# Altium PCB pay-optical-tls2591.PcbDoc (part 1 of 4)
Units mm, origin at the board's own origin, x right, y up, seen from the top; angles counter-clockwise.
Board outline 127 x 55 mm, 4 copper layers (Top Layer, GND, POWER, Bottom Layer), stack 0.778 mm thick; 340 components, 205 nets, 1087 pads, 428 vias.
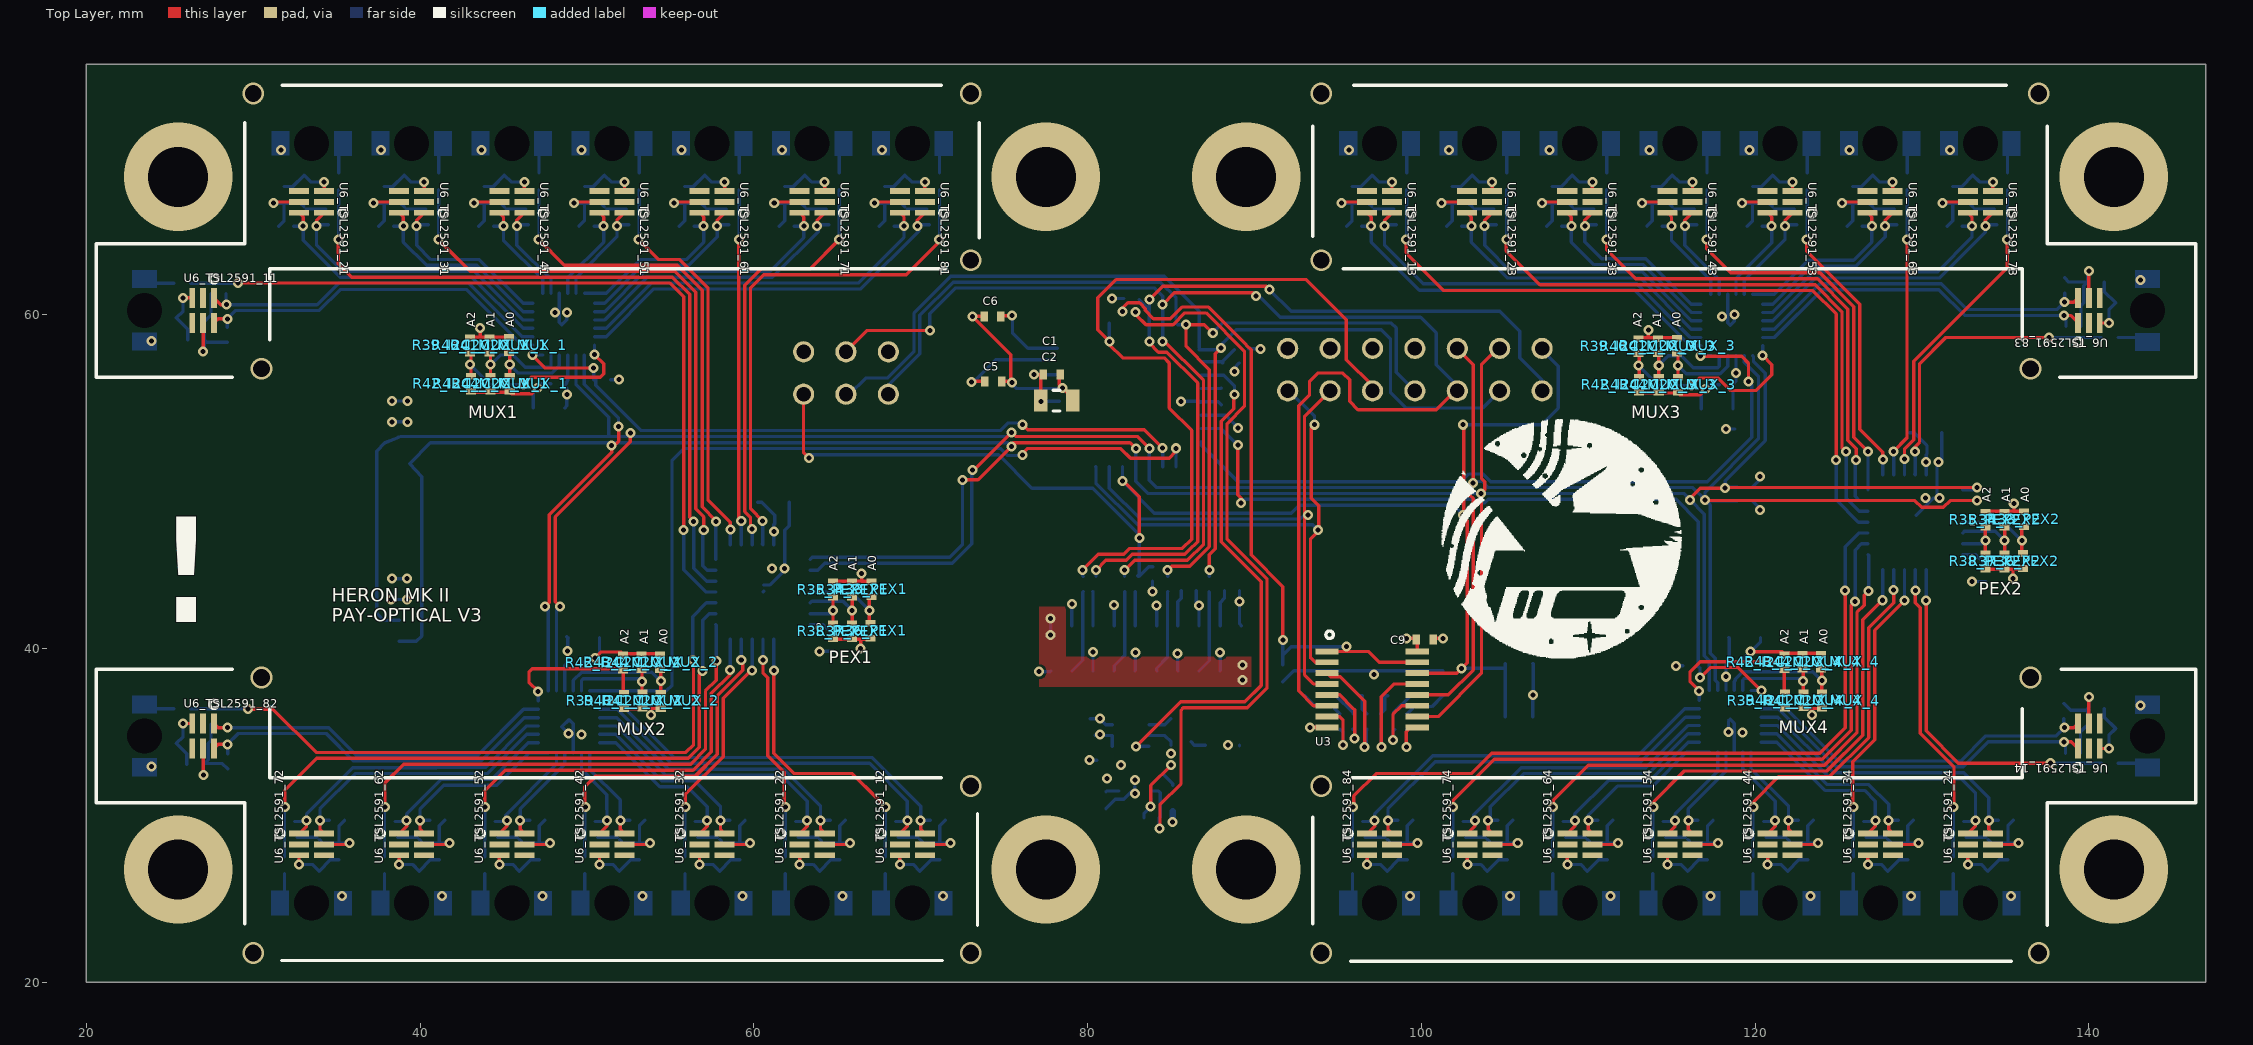
[diagram p0: Top Layer view]
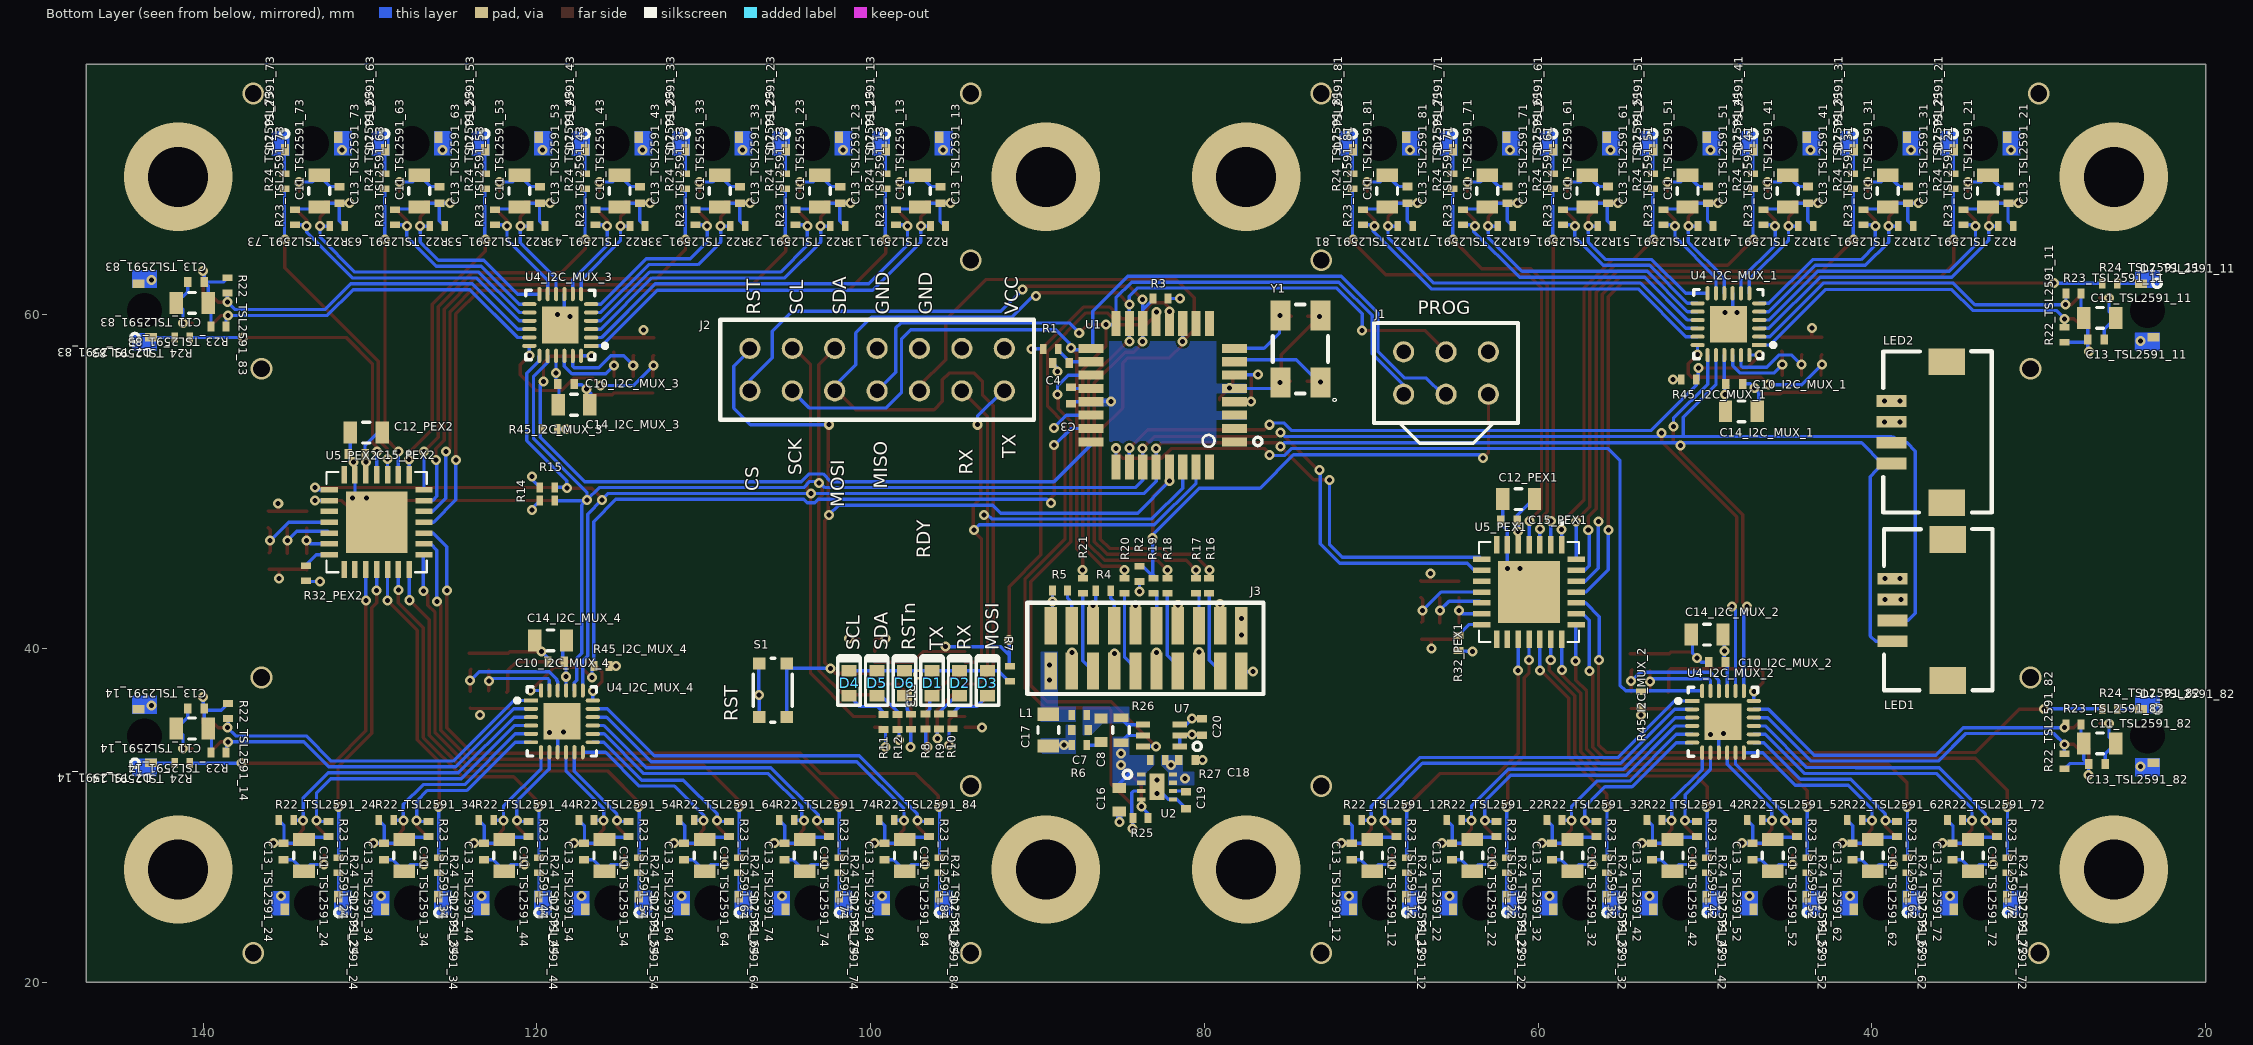
[diagram p1: Bottom Layer view, seen from below]
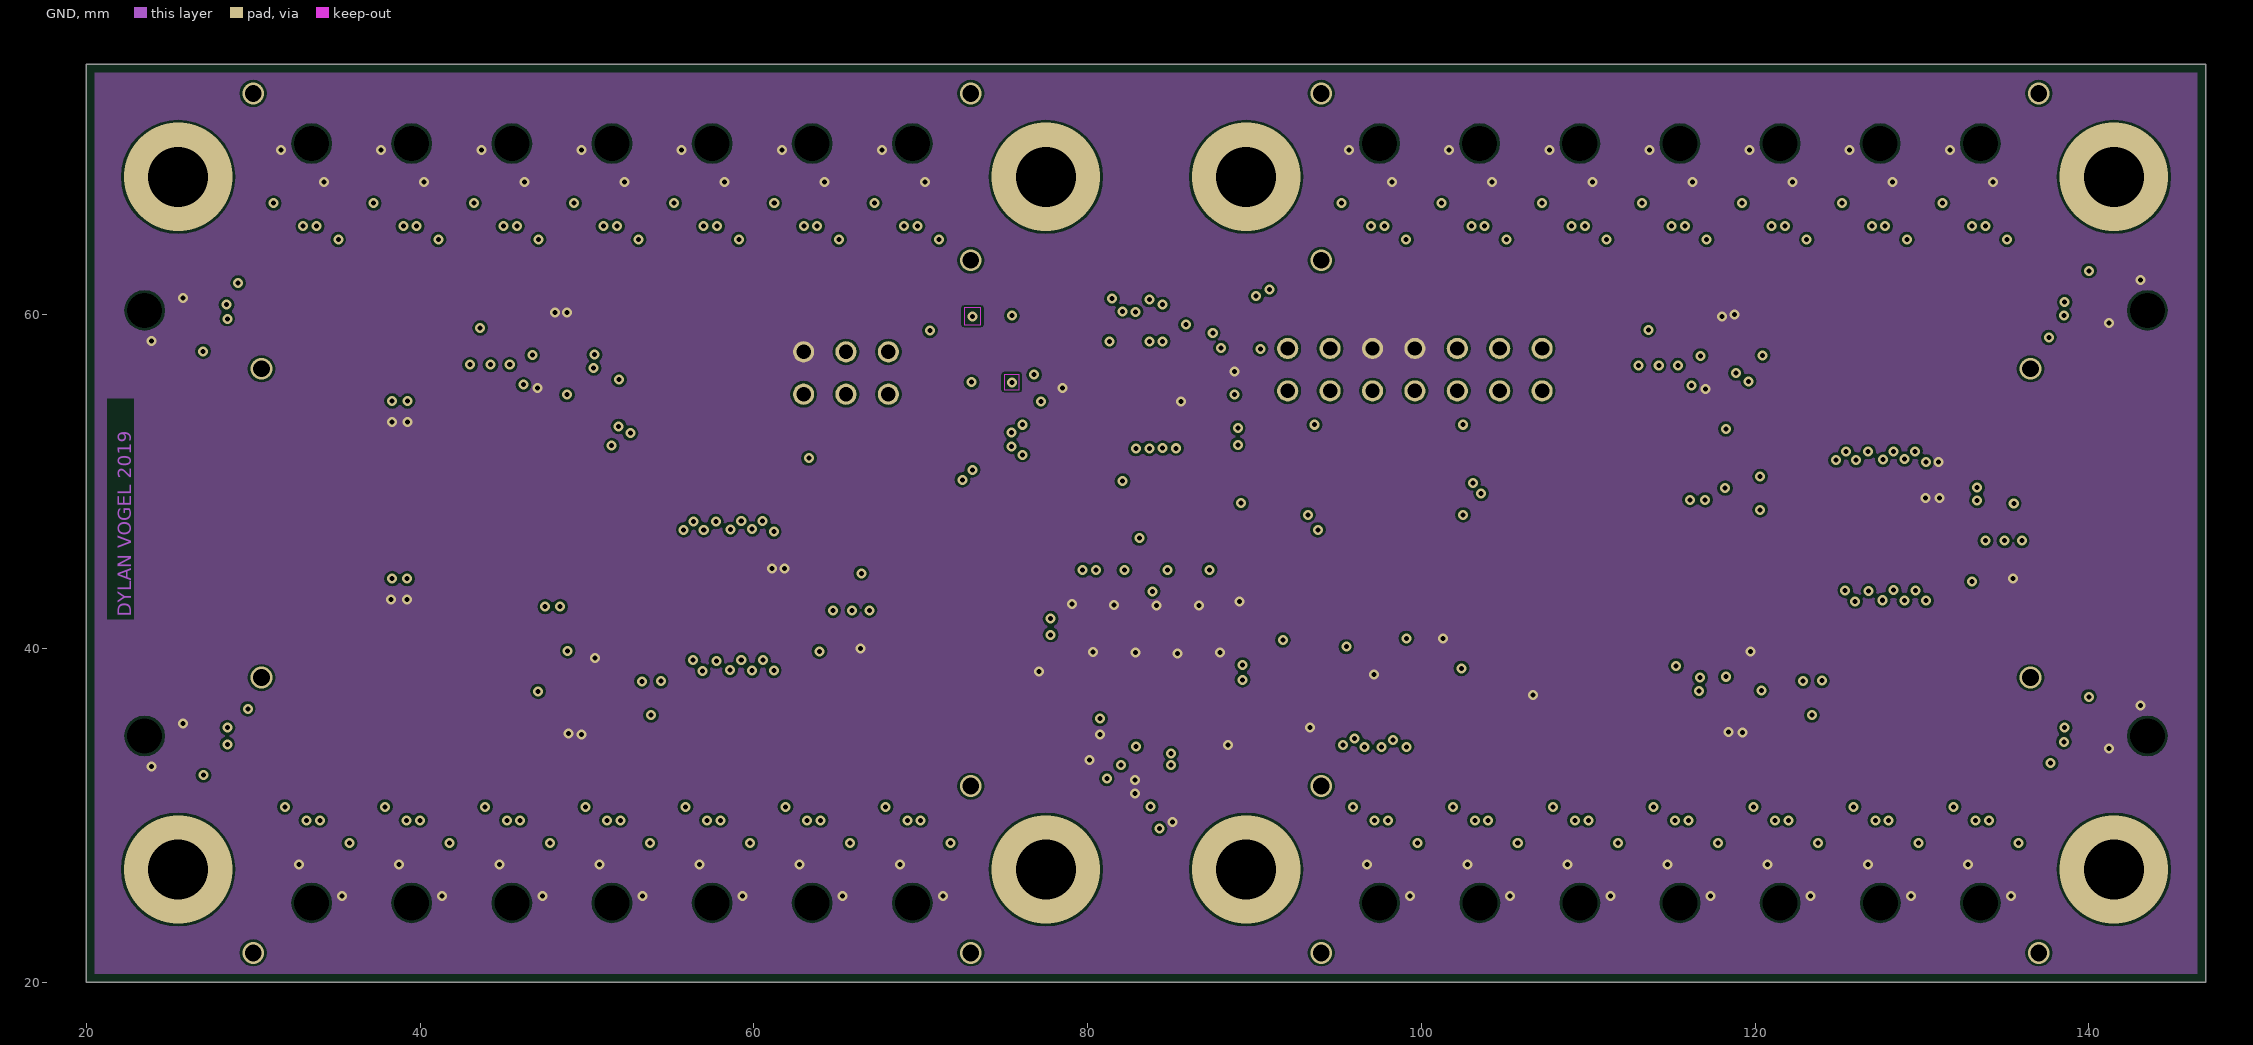
[diagram p2: GND]
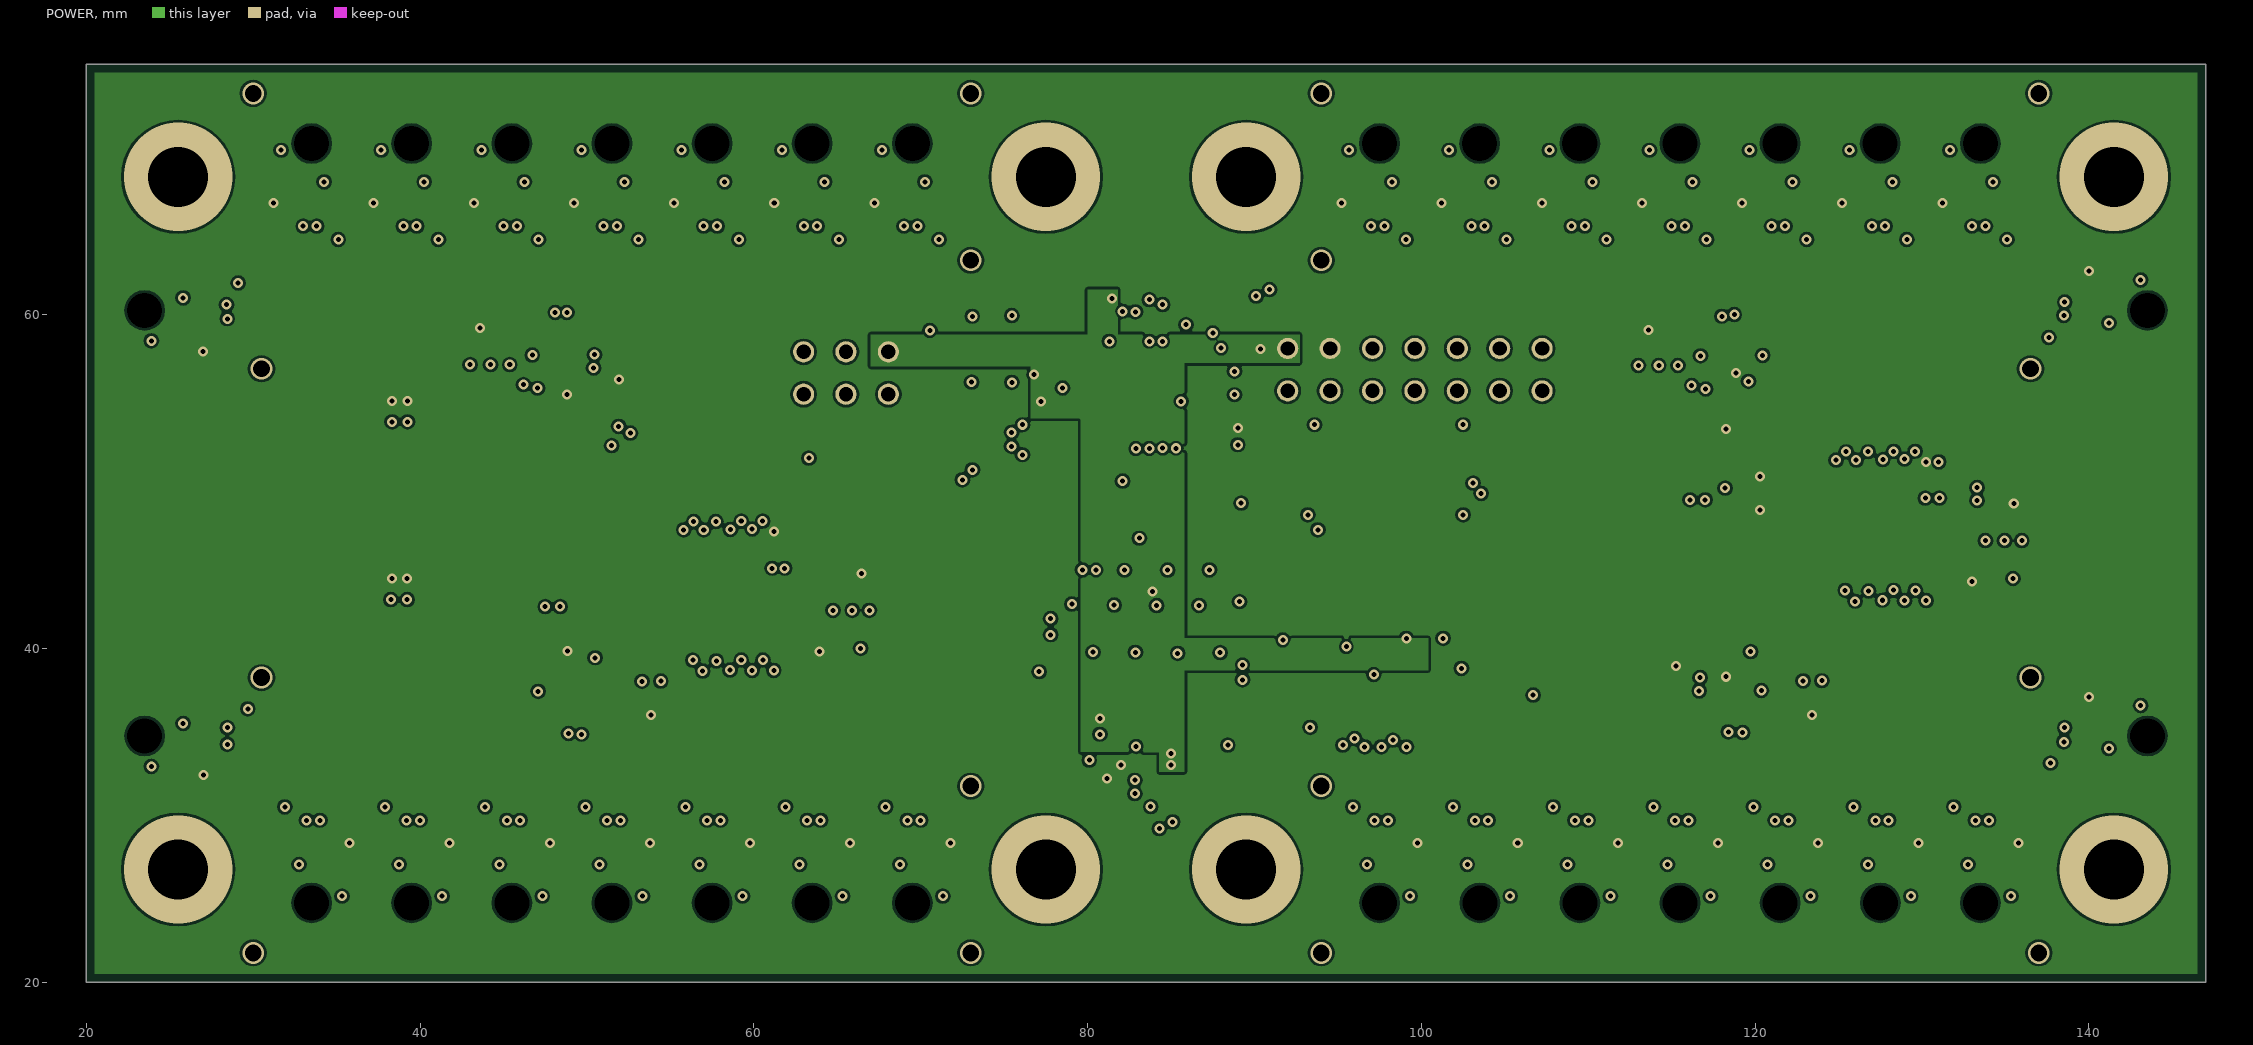
[diagram p3: POWER]
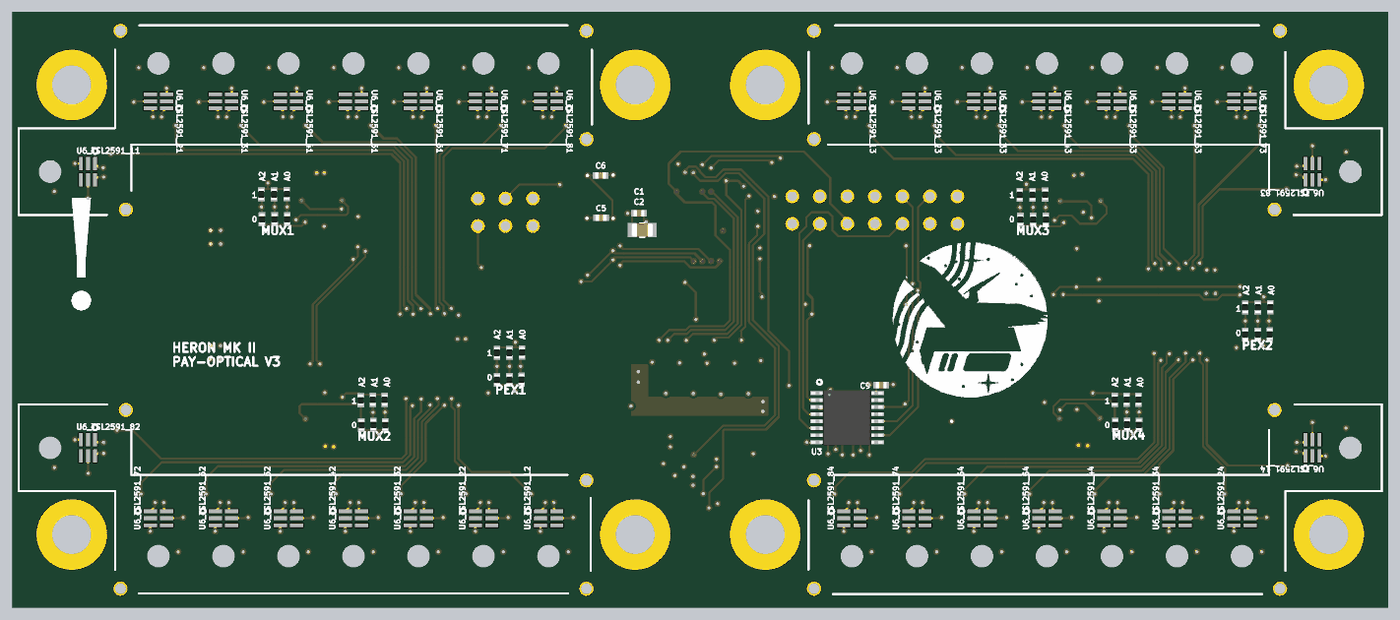
[diagram p7: 3D render of the assembled board from above, using the file's embedded part models]
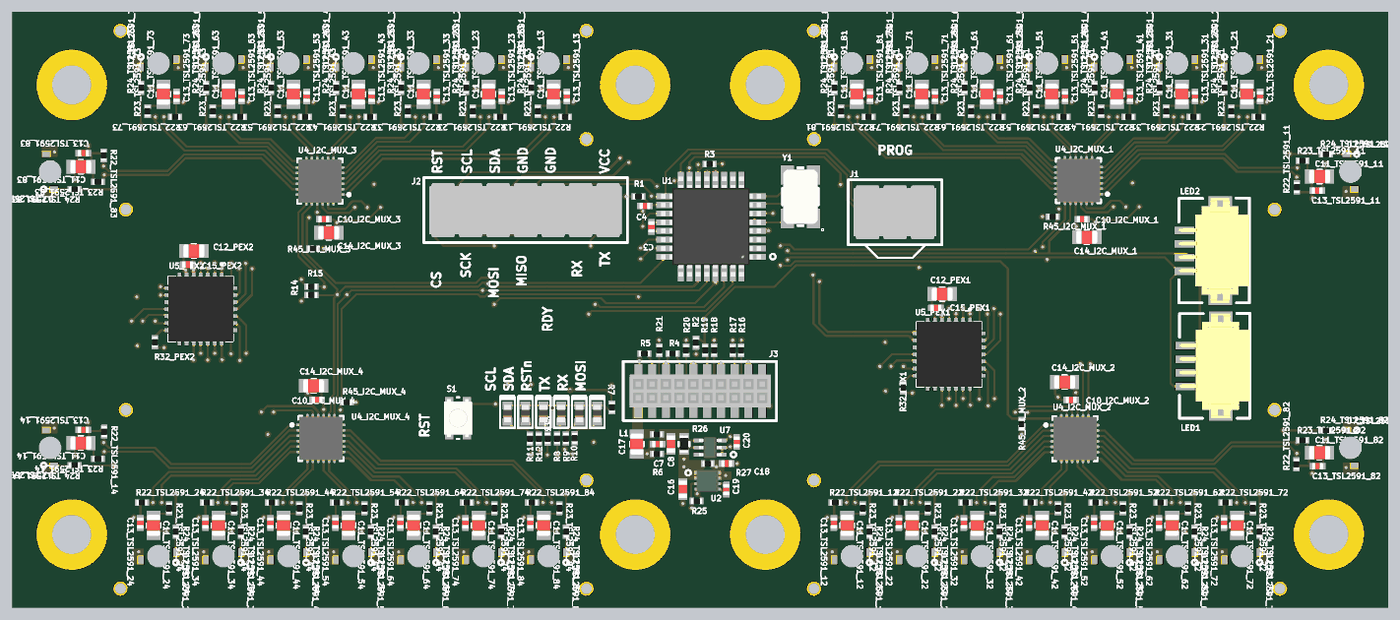
[diagram p8: 3D render of the assembled board from below, using the file's embedded part models]

## Layer stack, top to bottom
Top Solder: solder mask 0.0102, Solder Resist, Dk 3.5
Top Layer: signal copper 0.0356
Dielectric 1: core 0.254, FR-4, Dk 4.2
GND: signal copper 0.036
Dielectric 3: prepreg 0.127, Dk 4.2
POWER: signal copper 0.036
Dielectric 2: core 0.254, Dk 4.2
Bottom Layer: signal copper 0.0356
Bottom Solder: solder mask 0.0102, Solder Resist, Dk 3.5

## Board outline
20,20 20,75 147,75 147,20

## Design rules (kind name [scope] priority, off if disabled: settings)
AssemblyTestPointUsage [All] p1 off:
AssemblyTestpoint [All] p1 off: testpointundercomponent=TRUE minsize=1.016 maxsize=2.54 preferedsize=1.524 minholesize=0 maxholesize=1.016 preferedholesize=0.813 testpointgrid=0.025 usegrid=TRUE gridtolerance=0 allowsidetop=TRUE allowsidebottom=TRUE
BoardOutlineClearance [All] p1: gap=0.5 ignorepadtopadclearanceinfootprint=FALSE
Clearance Component_Clearance [IsComponent vs IsComponent] p1: gap=0.254 ignorepadtopadclearanceinfootprint=FALSE
Clearance [All] p2: gap=0.152 ignorepadtopadclearanceinfootprint=TRUE
FabricationTestPointUsage [All] p1 off: valid=0 allowmultiple=FALSE
FabricationTestpoint [All] p1 off: side=3 testpointundercomponent=FALSE minsize=1.016 maxsize=2.54 preferedsize=1.524 minholesize=0 maxholesize=1.016 preferedholesize=0.813 testpointgrid=0.025 allowsidetop=TRUE allowsidebottom=TRUE usegrid=TRUE gridtolerance=0
HoleSize [All] p1: absolutevalues=TRUE maxlimit=6.3 minlimit=0.3 maxpercent=80.000 minpercent=20.000
HoleToHoleClearance [All] p1: gap=0.2 allowstackedmicrovias=FALSE
MinimumAnnularRing [All] p1: minimumring=0.15
MinimumSolderMaskSliver [All] p1: minsoldermaskwidth=0.1
PlaneClearance [All] p1: clearance=0.381
PlaneConnect [All] p1: planeconnectstyle=Direct reliefexpansion=0.508 reliefentries=4 reliefconductorwidth=0.254 reliefairgap=0.254
PolygonConnect [All] p1: connectstyle=Direct reliefconductorwidth=0.254 reliefentries=4 polygonreliefangle="90 Angle" airgapwidth=0.254
RoomDefinition PWR [InComponentClass('PWR')] p1 off: confinementstyle=ConfineIn formatcopy=TRUE lockcomponents=FALSE outline 79.5,29.3 90.2,29.3 90.2,37 79.5,37
RoomDefinition TSL2591_84 [InComponentClass('TSL2591_84')] p2: confinementstyle=ConfineIn formatcopy=TRUE lockcomponents=FALSE outline 100.45,32.05 94.45,32.05 94.45,23.05 100.45,23.05
RoomDefinition TSL2591_83 [InComponentClass('TSL2591_83')] p3: confinementstyle=ConfineIn formatcopy=FALSE lockcomponents=FALSE outline 136.2,63.199 136.2,57.199 145.2,57.199 145.2,63.199
RoomDefinition TSL2591_82 [InComponentClass('TSL2591_82')] p4: confinementstyle=ConfineIn formatcopy=FALSE lockcomponents=FALSE outline 30.7,31.3 30.7,37.3 21.7,37.3 21.7,31.3
RoomDefinition TSL2591_81 [InComponentClass('TSL2591_81')] p5: confinementstyle=ConfineIn formatcopy=FALSE lockcomponents=FALSE outline 66.55,62.95 72.55,62.95 72.55,71.95 66.55,71.95
RoomDefinition TSL2591_74 [InComponentClass('TSL2591_74')] p6: confinementstyle=ConfineIn formatcopy=TRUE lockcomponents=FALSE outline 106.45,32.05 100.45,32.05 100.45,23.05 106.45,23.05
RoomDefinition TSL2591_73 [InComponentClass('TSL2591_73')] p7: confinementstyle=ConfineIn formatcopy=FALSE lockcomponents=FALSE outline 130.542,62.95 136.542,62.95 136.542,71.95 130.542,71.95
RoomDefinition TSL2591_72 [InComponentClass('TSL2591_72')] p8: confinementstyle=ConfineIn formatcopy=TRUE lockcomponents=FALSE outline 36.45,32.05 30.45,32.05 30.45,23.05 36.45,23.05
RoomDefinition TSL2591_71 [InComponentClass('TSL2591_71')] p9: confinementstyle=ConfineIn formatcopy=FALSE lockcomponents=FALSE outline 60.55,62.95 66.55,62.95 66.55,71.95 60.55,71.95
RoomDefinition TSL2591_64 [InComponentClass('TSL2591_64')] p10: confinementstyle=ConfineIn formatcopy=TRUE lockcomponents=FALSE outline 112.45,32.05 106.45,32.05 106.45,23.05 112.45,23.05
RoomDefinition TSL2591_63 [InComponentClass('TSL2591_63')] p11: confinementstyle=ConfineIn formatcopy=FALSE lockcomponents=FALSE outline 124.542,62.95 130.542,62.95 130.542,71.95 124.542,71.95
RoomDefinition TSL2591_62 [InComponentClass('TSL2591_62')] p12: confinementstyle=ConfineIn formatcopy=TRUE lockcomponents=FALSE outline 42.45,32.05 36.45,32.05 36.45,23.05 42.45,23.05
RoomDefinition TSL2591_61 [InComponentClass('TSL2591_61')] p13: confinementstyle=ConfineIn formatcopy=FALSE lockcomponents=FALSE outline 54.55,62.95 60.55,62.95 60.55,71.95 54.55,71.95
RoomDefinition TSL2591_54 [InComponentClass('TSL2591_54')] p14: confinementstyle=ConfineIn formatcopy=TRUE lockcomponents=FALSE outline 118.45,32.05 112.45,32.05 112.45,23.05 118.45,23.05
RoomDefinition TSL2591_53 [InComponentClass('TSL2591_53')] p15: confinementstyle=ConfineIn formatcopy=FALSE lockcomponents=FALSE outline 118.542,62.95 124.542,62.95 124.542,71.95 118.542,71.95
RoomDefinition TSL2591_52 [InComponentClass('TSL2591_52')] p16: confinementstyle=ConfineIn formatcopy=TRUE lockcomponents=FALSE outline 48.45,32.05 42.45,32.05 42.45,23.05 48.45,23.05
RoomDefinition TSL2591_51 [InComponentClass('TSL2591_51')] p17: confinementstyle=ConfineIn formatcopy=FALSE lockcomponents=FALSE outline 48.55,62.95 54.55,62.95 54.55,71.95 48.55,71.95
RoomDefinition TSL2591_44 [InComponentClass('TSL2591_44')] p18: confinementstyle=ConfineIn formatcopy=TRUE lockcomponents=FALSE outline 124.45,32.05 118.45,32.05 118.45,23.05 124.45,23.05
RoomDefinition TSL2591_43 [InComponentClass('TSL2591_43')] p19: confinementstyle=ConfineIn formatcopy=FALSE lockcomponents=FALSE outline 112.542,62.95 118.542,62.95 118.542,71.95 112.542,71.95
RoomDefinition TSL2591_42 [InComponentClass('TSL2591_42')] p20: confinementstyle=ConfineIn formatcopy=TRUE lockcomponents=FALSE outline 54.45,32.05 48.45,32.05 48.45,23.05 54.45,23.05
RoomDefinition TSL2591_41 [InComponentClass('TSL2591_41')] p21: confinementstyle=ConfineIn formatcopy=FALSE lockcomponents=FALSE outline 42.55,62.95 48.55,62.95 48.55,71.95 42.55,71.95
RoomDefinition TSL2591_34 [InComponentClass('TSL2591_34')] p22: confinementstyle=ConfineIn formatcopy=TRUE lockcomponents=FALSE outline 130.45,32.05 124.45,32.05 124.45,23.05 130.45,23.05
RoomDefinition TSL2591_33 [InComponentClass('TSL2591_33')] p23: confinementstyle=ConfineIn formatcopy=FALSE lockcomponents=FALSE outline 106.542,62.95 112.542,62.95 112.542,71.95 106.542,71.95
RoomDefinition TSL2591_32 [InComponentClass('TSL2591_32')] p24: confinementstyle=ConfineIn formatcopy=TRUE lockcomponents=FALSE outline 60.45,32.05 54.45,32.05 54.45,23.05 60.45,23.05
RoomDefinition TSL2591_31 [InComponentClass('TSL2591_31')] p25: confinementstyle=ConfineIn formatcopy=FALSE lockcomponents=FALSE outline 36.55,62.95 42.55,62.95 42.55,71.95 36.55,71.95
RoomDefinition TSL2591_24 [InComponentClass('TSL2591_24')] p26: confinementstyle=ConfineIn formatcopy=TRUE lockcomponents=FALSE outline 136.45,32.05 130.45,32.05 130.45,23.05 136.45,23.05
RoomDefinition TSL2591_23 [InComponentClass('TSL2591_23')] p27: confinementstyle=ConfineIn formatcopy=FALSE lockcomponents=FALSE outline 100.542,62.95 106.542,62.95 106.542,71.95 100.542,71.95
RoomDefinition TSL2591_22 [InComponentClass('TSL2591_22')] p28: confinementstyle=ConfineIn formatcopy=TRUE lockcomponents=FALSE outline 66.45,32.05 60.45,32.05 60.45,23.05 66.45,23.05
RoomDefinition TSL2591_21 [InComponentClass('TSL2591_21')] p29: confinementstyle=ConfineIn formatcopy=FALSE lockcomponents=FALSE outline 30.55,62.95 36.55,62.95 36.55,71.95 30.55,71.95
RoomDefinition TSL2591_14 [InComponentClass('TSL2591_14')] p30: confinementstyle=ConfineIn formatcopy=FALSE lockcomponents=FALSE outline 136.3,38.2 136.3,32.2 145.3,32.2 145.3,38.2
RoomDefinition TSL2591_13 [InComponentClass('TSL2591_13')] p31: confinementstyle=ConfineIn formatcopy=FALSE lockcomponents=FALSE outline 94.542,62.95 100.542,62.95 100.542,71.95 94.542,71.95
RoomDefinition TSL2591_12 [InComponentClass('TSL2591_12')] p32: confinementstyle=ConfineIn formatcopy=TRUE lockcomponents=FALSE outline 72.45,32.05 66.45,32.05 66.45,23.05 72.45,23.05
RoomDefinition TSL2591_11 [InComponentClass('TSL2591_11')] p33: confinementstyle=ConfineIn formatcopy=FALSE lockcomponents=FALSE outline 30.8,57.3 30.8,63.3 21.8,63.3 21.8,57.3
RoomDefinition PEX2 [InComponentClass('PEX2')] p34 off: confinementstyle=ConfineIn formatcopy=TRUE lockcomponents=FALSE outline 124.452,42.384 136.807,42.384 136.807,53.909 124.452,53.909
RoomDefinition PEX1 [InComponentClass('PEX1')] p35 off: confinementstyle=ConfineIn formatcopy=TRUE lockcomponents=FALSE outline 55.4,38.2 67.755,38.2 67.755,49.726 55.4,49.726
RoomDefinition I2C_MUX_4 [InComponentClass('I2C_MUX_4')] p36 off: confinementstyle=ConfineIn formatcopy=TRUE lockcomponents=FALSE outline 126.2,41.65 112.7,41.65 112.7,32.2 126.2,32.2
RoomDefinition I2C_MUX_3 [InComponentClass('I2C_MUX_3')] p37 off: confinementstyle=ConfineIn formatcopy=FALSE lockcomponents=FALSE outline 110.899,53.353 124.399,53.353 124.399,62.803 110.899,62.803
RoomDefinition I2C_MUX_2 [InComponentClass('I2C_MUX_2')] p38 off: confinementstyle=ConfineIn formatcopy=TRUE lockcomponents=FALSE outline 56.625,41.626 43.125,41.626 43.125,32.176 56.625,32.176
RoomDefinition I2C_MUX_1 [InComponentClass('I2C_MUX_1')] p39 off: confinementstyle=ConfineIn formatcopy=FALSE lockcomponents=FALSE outline 40.9,53.4 54.4,53.4 54.4,62.85 40.9,62.85
RoutingVias [All] p1: holewidth=0.3 width=0.6 viastyle="Through Hole" minholewidth=0.2 minwidth=0.6 maxholewidth=6.3 maxwidth=10 useviatemplates=TRUE viatemplateguid#1={93B07F7C-2D8F-4E50-B67E-95B030D29E9C} viatemplatename#1=v60h30m0mx0(Tol8-8)
SilkToSilkClearance [All] p1: silktosilkclearance=0
SilkToSolderMaskClearance [IsPad] p1: minsilkscreentomaskgap=0.2 clearancetoexposedcopper=TRUE
SolderMaskExpansion [All] p1: expansion=0.051
UnConnectedPin [All] p1:
UnRoutedNet [All] p1: checkbadconnections=TRUE
Width [All] p1: maxlimit=25.4 minlimit=0.152 preferedwidth=0.2
18 further rules are at their usual default settings.
